# Altium PCB MCH_MAIN.PCBDOC (part 1 of 14) (continued)
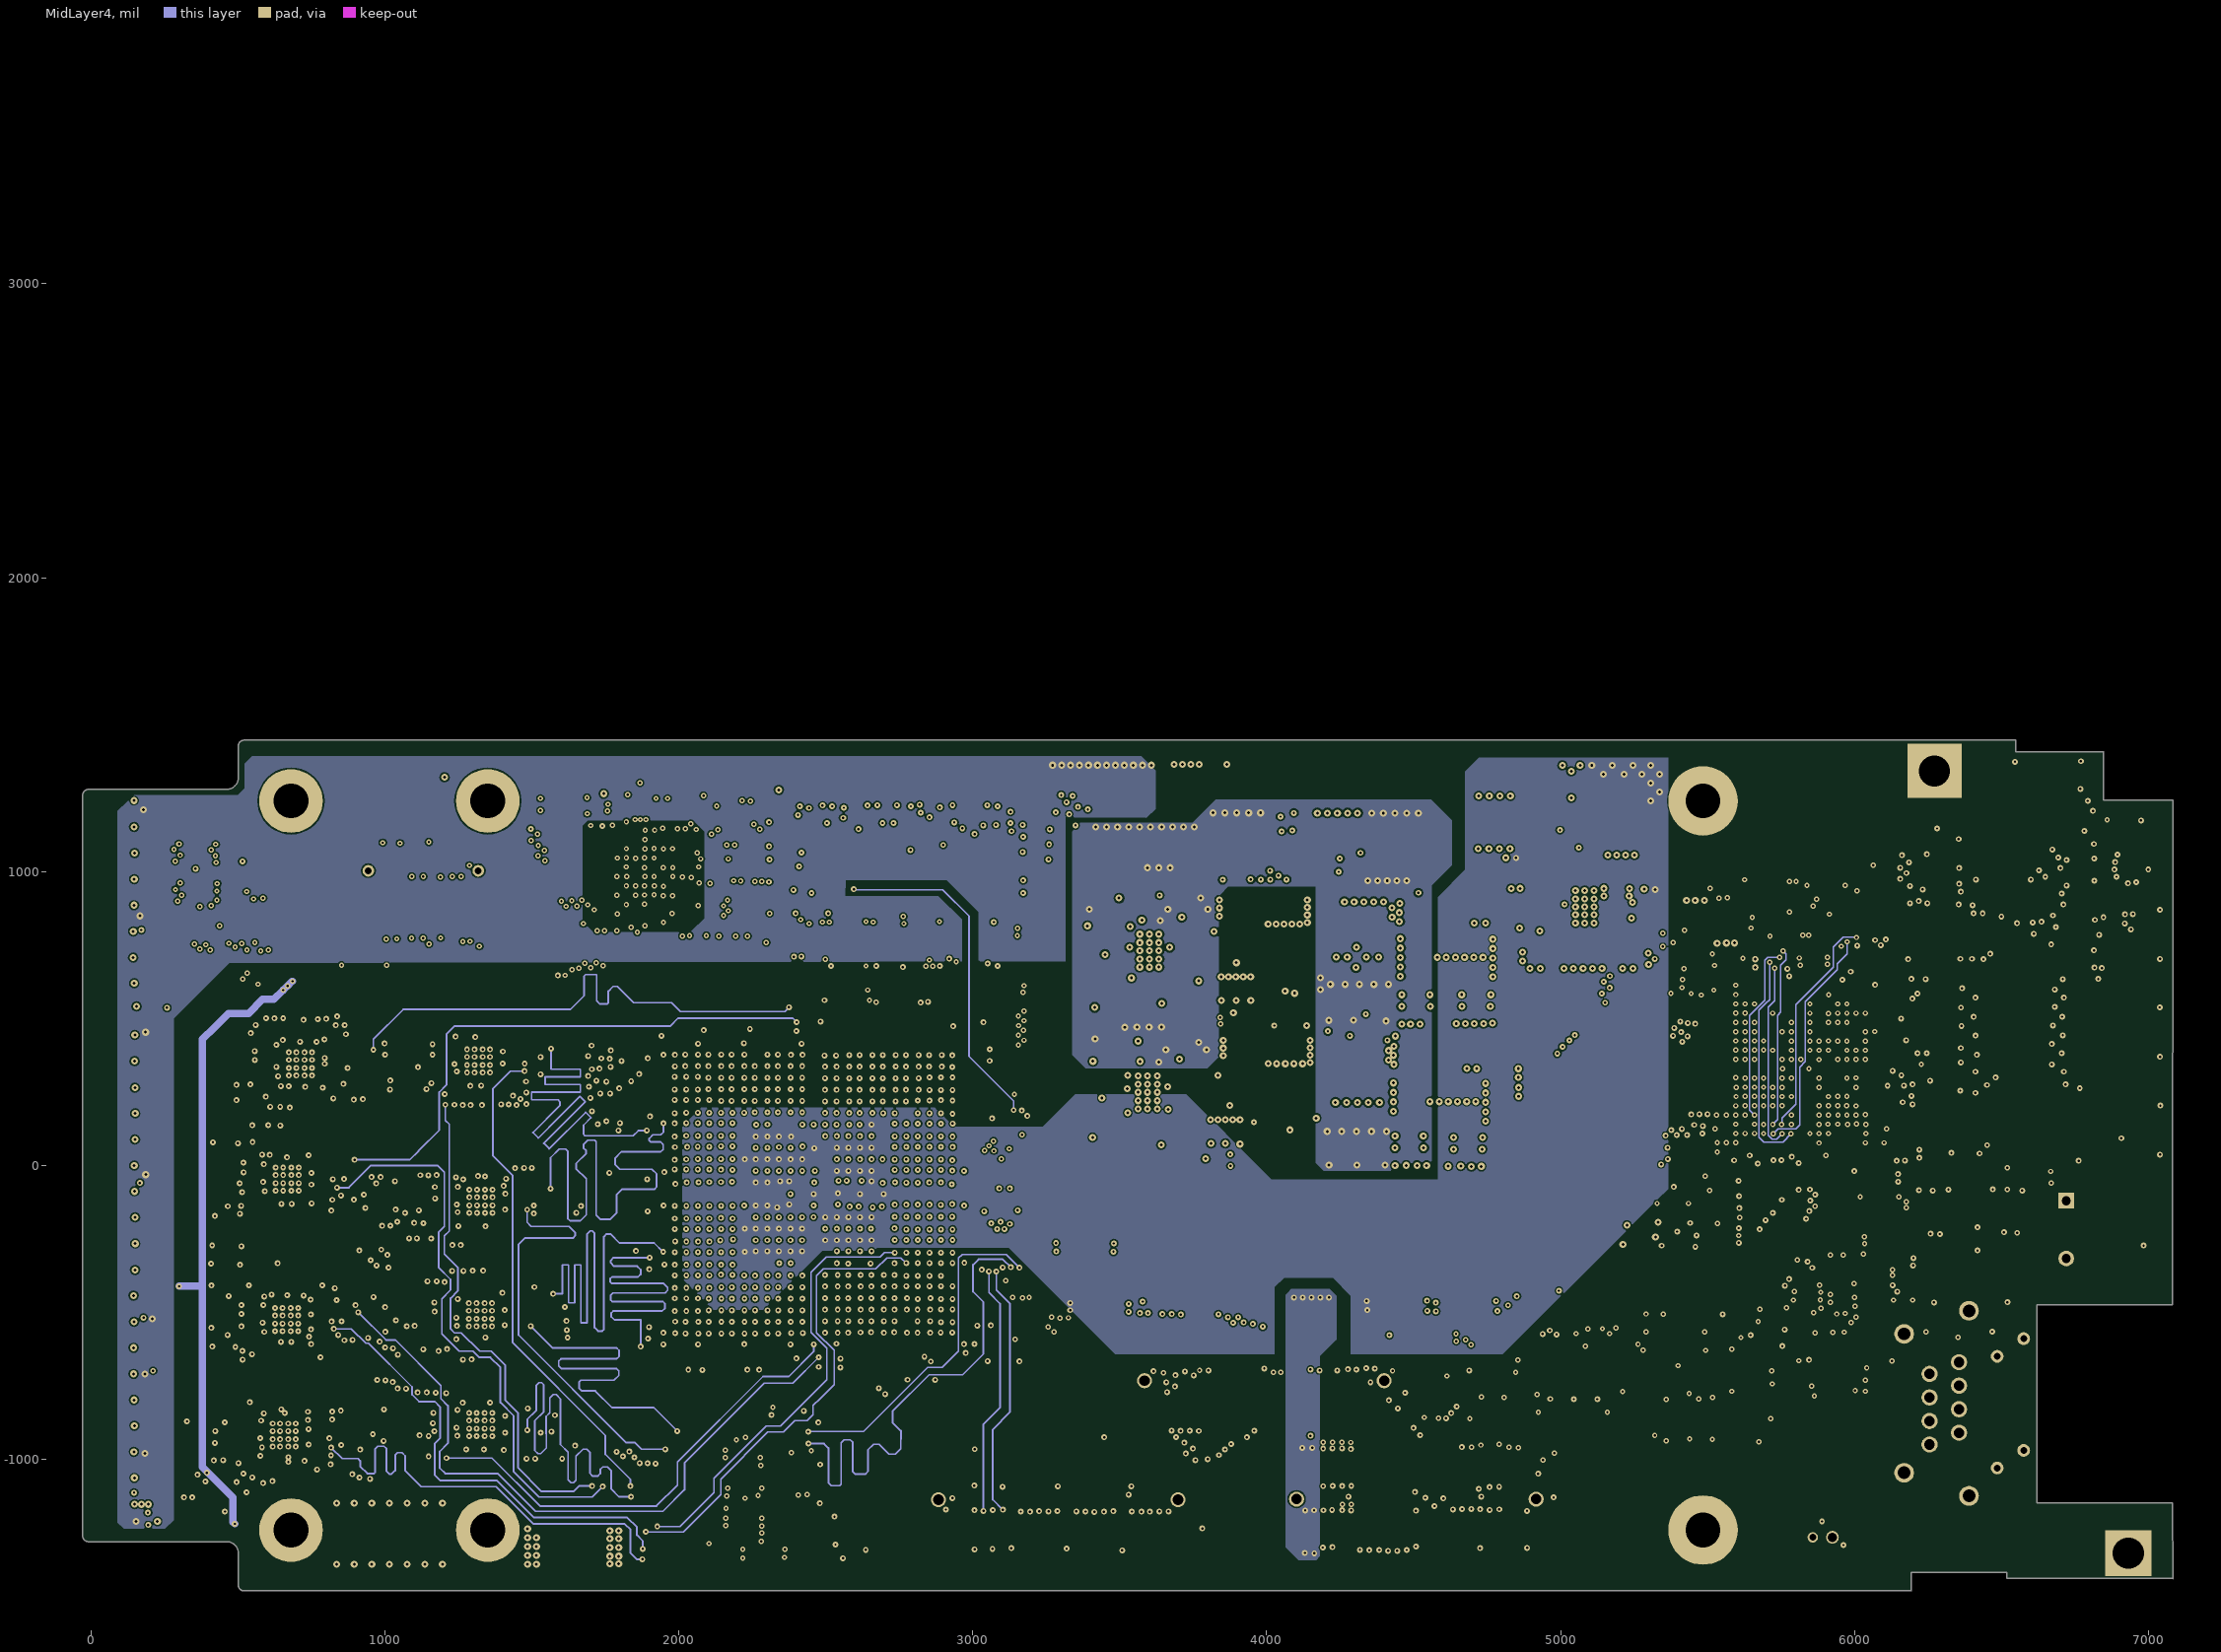
[diagram p4: MidLayer4]
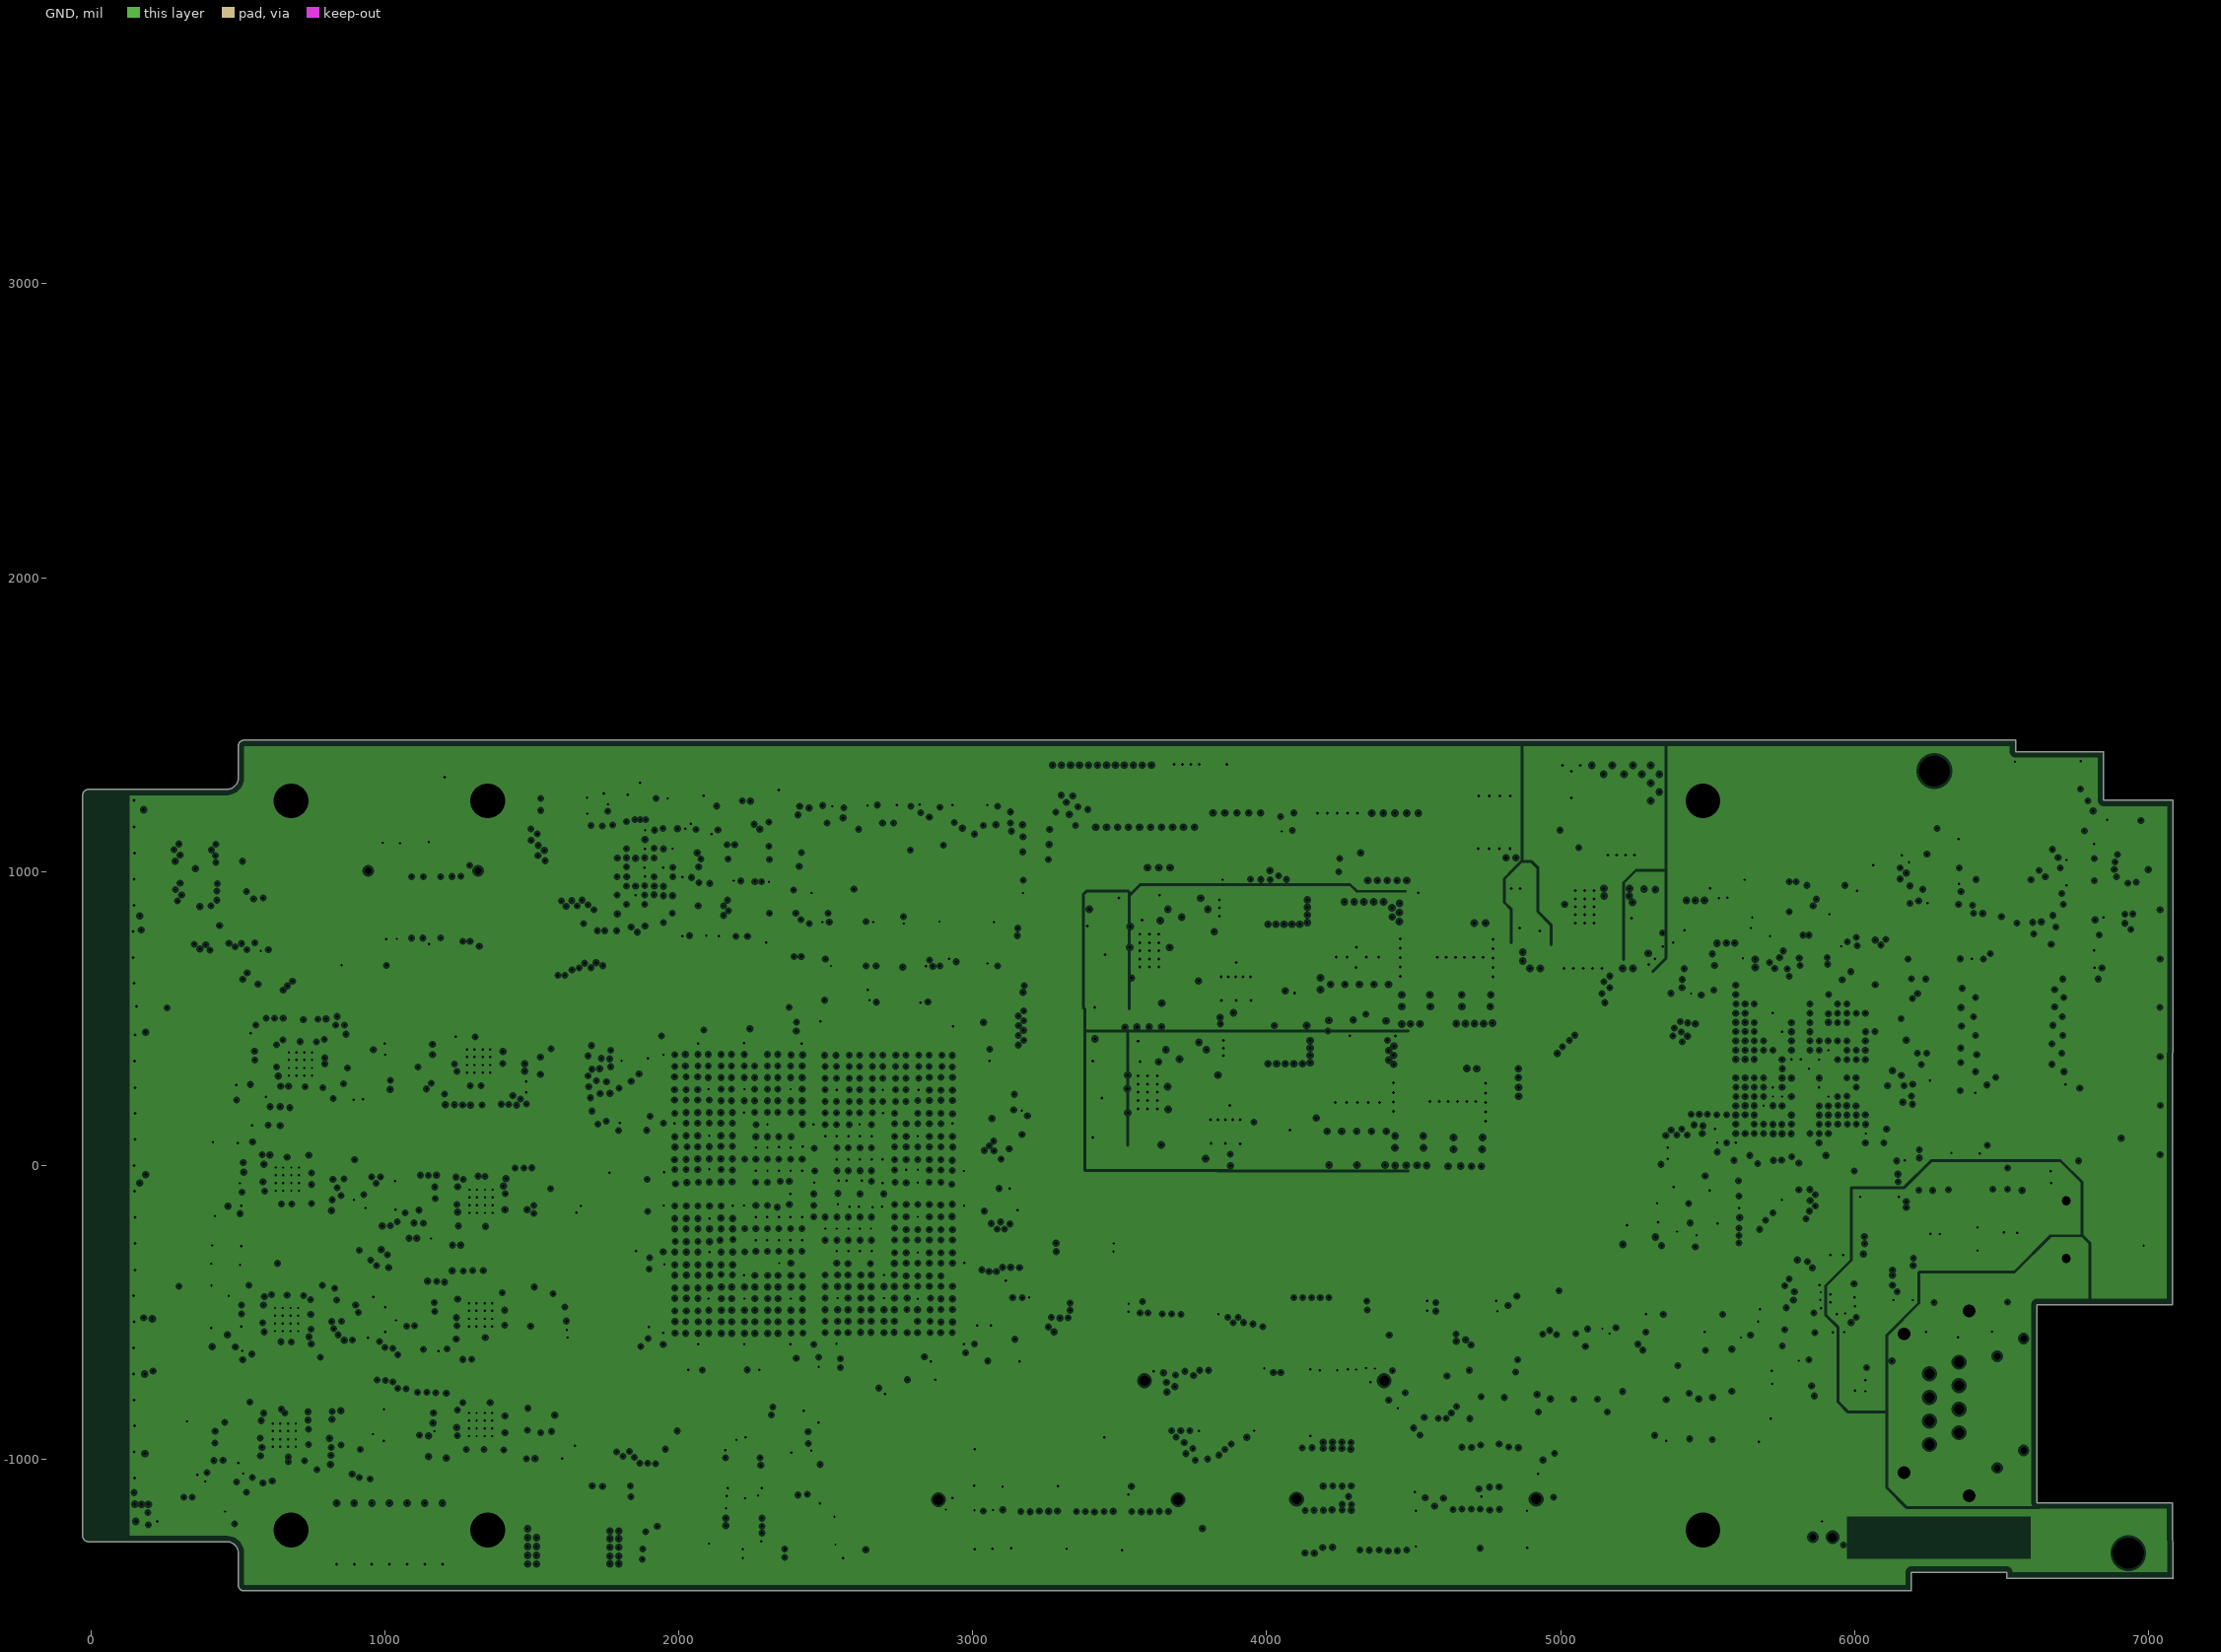
[diagram p5: GND, clearances drawn from the general rule]

## Layer stack, top to bottom
Top Layer: signal copper 1.4
Dielectric: core 10.6299, FR-4, Dk 4.8
Power: plane copper 1.4, net (Multiple Nets)
Dielectric: prepreg 10.6299, FR-4, Dk 4.8
MidLayer1: signal copper 1.4
Dielectric: core 10.6299, FR-4, Dk 4.8
MidLayer4: signal copper 1.4
Dielectric: prepreg 10.6299, FR-4, Dk 4.8
GND: plane copper 1.4, net (Multiple Nets)
Dielectric: core 10.6299, FR-4, Dk 4.8
Bottom Layer: signal copper 1.4

## Board outline
-27.76,-1259.86 -27.76,1259.82 -27.76,1259.83 cw(c-7.86,1259.82) -7.86,1279.72 460.67,1279.72 cw(c460.73,1279.52) 460.74,1279.73 ccw(c461.71,1319.77) 461.32,1279.72 461.98,1279.72 cw(c461.98,1279.51) 462,1279.72 ccw(c461.71,1319.77) 501.77,1319.77 ccw(c461.71,1319.77) 501.77,1319.83 501.77,1427.15 cw(c521.66,1427.15) 521.66,1447.04 6547.25,1447.04 cw(c6547.25,1446.83) 6547.47,1446.83 6547.47,1407.67 6846.47,1407.67 cw(c6846.47,1407.46) 6846.68,1407.46 6846.68,1242.32 7082.69,1242.32 cw(c7082.69,1242.11) 7082.9,1242.11 7081.88,-473.1 6620,-473.1 6620,-1147.1 7082,-1147.1 7082.78,-1406.56 7082.9,-1403.56 cw(c7082.69,-1403.56) 7082.69,-1403.78 6517.73,-1403.78 cw(c6517.73,-1403.56) 6517.52,-1403.56 6517.52,-1384.09 6193.14,-1384.09 6193.14,-1446.87 cw(c6192.92,-1446.87) 6192.92,-1447.08 519.7,-1447.08 cw(c519.7,-1446.87) 519.51,-1446.96 cw(c521.66,-1427.19) 501.88,-1429.34 cw(c501.98,-1429.15) 501.77,-1429.15 501.77,-1318.92 ccw(c462.61,-1318.92) 462.61,-1279.76 -7.86,-1279.76 -7.87,-1279.76 cw(c-7.86,-1259.86)

## Design rules (kind name [scope] priority, off if disabled: settings)
Clearance Clearance_poly_supply_1v2 [InPolygon] p1: gap=5
Clearance Clearance_poly_gnd_12v [(InPolygon) and (InNet(GND) or InNet('+12V_BACKPLANE') or InNet('+12V_BULK'))] p2: gap=6
Clearance Clearance_fine_bga [WithinRoom('CPU') or WithinRoom('FPGA') or WithinRoom('WD') vs WithinRoom('CPU')    or WithinRoom('FPGA')   or WithinRoom('WD')] p3: gap=4
Clearance [All] p4: gap=5
ComponentClearance [All] p1: gap=1 collisioncheckmode=3 verticalgap=10 showdistances=TRUE
DiffPairsRouting [All] p1: maxlimit=10 minlimit=6 mostfreqgap=10 toplayer_prefgap=6 midlayer1_prefgap=6 midlayer4_prefgap=6 bottomlayer_prefgap=6 maxuncoupledlength=500
HoleSize [All] p1: absolutevalues=TRUE maxlimit=200 minlimit=8 maxpercent=80.000 minpercent=20.000
MinimumAnnularRing [All] p1: minimumring=5
PlaneClearance [All] p1: clearance=8
PlaneConnect [All] p1: planeconnectstyle=Direct reliefexpansion=20 reliefentries=2 reliefconductorwidth=10 reliefairgap=10
PolygonConnect PolygonConnect_bigthermals [name= 'POLY_bigthermals' vs not IsVia] p1: connectstyle=Relief reliefconductorwidth=40 reliefentries=4 polygonreliefangle="90 Angle"
PolygonConnect PolygonConnect_nothermals [name = 'POLY_nothermals'] p2: connectstyle=Direct reliefconductorwidth=10 reliefentries=4 polygonreliefangle="90 Angle"
PolygonConnect PolygonConnect_via [All vs IsVia] p3: connectstyle=Direct reliefconductorwidth=10 reliefentries=4 polygonreliefangle="90 Angle"
PolygonConnect PolygonConnect_signals [All] p4: connectstyle=Relief reliefconductorwidth=10 reliefentries=4 polygonreliefangle="90 Angle"
RoomDefinition FPGA [InComponentClass('FPGA')] p1: confinementstyle=ConfineIn formatcopy=TRUE lockcomponents=FALSE outline 1777.5,-743.7 3202.8,-743.7 3202.8,543.1 1777.5,543.1
RoomDefinition WD [InComponentClass('WD')] p2: confinementstyle=ConfineIn formatcopy=TRUE lockcomponents=FALSE outline 1659.6,771.5 2103,771.5 2103,1200.1 1659.6,1200.1
RoomDefinition LETH [InComponentClass('LETH')] p3: confinementstyle=ConfineIn formatcopy=TRUE lockcomponents=FALSE outline 5304.4,-952.7 6624,-952.7 6624,-32.5 5304.4,-32.5
RoomDefinition DP4 [InComponentClass('DP4')] p4: confinementstyle=ConfineIn formatcopy=TRUE lockcomponents=FALSE outline 1647.02,-655.5 1647.02,-364.16 1009.88,-364.16 1009.88,-655.5
RoomDefinition DP2 [InComponentClass('DP2')] p5: confinementstyle=ConfineIn formatcopy=TRUE lockcomponents=FALSE outline 1670.56,-1029.3 1670.56,-737.96 1003.05,-737.96 1003.05,-1029.3
RoomDefinition DP1 [InComponentClass('DP1')] p6: confinementstyle=ConfineIn formatcopy=TRUE lockcomponents=FALSE outline 845.4,-676.04 845.4,-384.7 337.53,-384.7 337.53,-676.04
RoomDefinition DP5 [InComponentClass('DP5')] p7: confinementstyle=ConfineIn formatcopy=TRUE lockcomponents=FALSE outline 972.47,194.16 972.47,541.1 384.8,541.1 384.8,194.16
RoomDefinition DP0 [InComponentClass('DP0')] p8: confinementstyle=ConfineIn formatcopy=TRUE lockcomponents=FALSE outline 992.86,-1068.64 992.86,-777.3 438.36,-777.3 438.36,-1068.64
RoomDefinition DP3 [InComponentClass('DP3')] p9: confinementstyle=ConfineIn formatcopy=TRUE lockcomponents=FALSE outline 847.07,-197.24 847.07,94.1 339.2,94.1 339.2,-197.24
RoomDefinition CPU [InComponentClass('CPU')] p10: confinementstyle=ConfineIn formatcopy=TRUE lockcomponents=FALSE outline 5482.81,-14.1 6143.6,-14.1 6143.6,657.5 5482.81,657.5
RoomDefinition DP6 [InComponentClass('DP6')] p11: confinementstyle=ConfineIn formatcopy=TRUE lockcomponents=FALSE outline 1584.8,-270.44 1584.8,20.9 1076.93,20.9 1076.93,-270.44
RoomDefinition DP7 [InComponentClass('DP7')] p12: confinementstyle=ConfineIn formatcopy=TRUE lockcomponents=FALSE outline 1576.67,207.5 1576.67,498.84 1068.8,498.84 1068.8,207.5
RoomDefinition PSU_1V2 [InComponentClass('PSU_1V2')] p13: confinementstyle=ConfineIn formatcopy=TRUE lockcomponents=FALSE outline 4855.84,1348.77 4855.84,692.28 5327.3,692.28 5327.3,1348.77
RoomDefinition PSU_2V5 [InComponentClass('PSU_2V5')] p14: confinementstyle=ConfineIn formatcopy=TRUE lockcomponents=FALSE outline 4832.33,444.9 3345.13,444.9 3345.13,-13.76 4832.33,-13.76
RoomDefinition PSU_3V3 [InComponentClass('PSU_3V3')] p15: confinementstyle=ConfineIn formatcopy=TRUE lockcomponents=FALSE outline 4849.07,927.18 3345.13,927.18 3345.13,468.52 4849.07,468.52
RoomDefinition U_MB_clocking [InComponentClass('U_MB_clocking')] p16: confinementstyle=ConfineIn formatcopy=TRUE lockcomponents=FALSE outline 1819.02,-1390.91 2674.57,-1390.91 2674.57,-771.28 1819.02,-771.28
RoomDefinition U_MB_ZBT_memory [InComponentClass('U_MB_ZBT_memory')] p17: confinementstyle=ConfineIn formatcopy=TRUE lockcomponents=FALSE outline 2232.92,577.78 3179.03,577.78 3179.03,1401.59 2232.92,1401.59
RoutingVias [All] p1: holewidth=8 width=18 viastyle="Through Hole" minholewidth=8 minwidth=18 maxholewidth=40 maxwidth=100
SilkscreenOverComponentPads [All] p1: minsilkscreentomaskgap=10
SolderMaskExpansion [All] p1: expansion=1.5
TestPointUsage [All] p1: valid=0 allowmultiple=FALSE
Testpoint [All] p1: side=15 testpointundercomponent=TRUE minsize=40 maxsize=100 preferedsize=60 minholesize=0 maxholesize=40 preferedholesize=32 testpointgrid=1 style=1023 order=0-112345678
Width [All] p1: maxlimit=100 minlimit=5 preferedwidth=5
18 further rules are at their usual default settings.

## Classes and differential pairs
net class ZBT_IOP[1..4]: ZBT_IOP1 ZBT_IOP2 ZBT_IOP3 ZBT_IOP4
net class ZBT_IO[0..31]: ZBT_IO0 ZBT_IO1 ZBT_IO2 ZBT_IO3 ZBT_IO4 ZBT_IO5 ZBT_IO6 ZBT_IO7 ZBT_IO8 ZBT_IO9 ZBT_IO10 ZBT_IO11 ZBT_IO12 ZBT_IO13 ZBT_IO14 ZBT_IO15 ZBT_IO16 ZBT_IO17 ZBT_IO18 ZBT_IO19 ZBT_IO20 ZBT_IO21 ZBT_IO22 ZBT_IO23 ZBT_IO24 ZBT_IO25 ZBT_IO26 ZBT_IO27 ZBT_IO28 ZBT_IO29 ZBT_IO30 ZBT_IO31
net class ZBT_BW[1..4]: ZBT_BW1 ZBT_BW2 ZBT_BW3 ZBT_BW4
net class ZBT_A[0..16]: ZBT_A0 ZBT_A1 ZBT_A2 ZBT_A3 ZBT_A4 ZBT_A5 ZBT_A6 ZBT_A7 ZBT_A8 ZBT_A9 ZBT_A10 ZBT_A11 ZBT_A12 ZBT_A13 ZBT_A14 ZBT_A15 ZBT_A16
net class UP1_TD[0..9]: UP1_TD0 UP1_TD1 UP1_TD2 UP1_TD3 UP1_TD4 UP1_TD5 UP1_TD6 UP1_TD7 UP1_TD8 UP1_TD9
net class UP1_RD[0..9]: UP1_RD0 UP1_RD1 UP1_RD2 UP1_RD3 UP1_RD4 UP1_RD5 UP1_RD6 UP1_RD7 UP1_RD8 UP1_RD9
net class UP0_TD[0..9]: UP0_TD0 UP0_TD1 UP0_TD2 UP0_TD3 UP0_TD4 UP0_TD5 UP0_TD6 UP0_TD7 UP0_TD8 UP0_TD9
net class UP0_RD[0..9]: UP0_RD0 UP0_RD1 UP0_RD2 UP0_RD3 UP0_RD4 UP0_RD5 UP0_RD6 UP0_RD7 UP0_RD8 UP0_RD9
net class SMI_TX[0..7]: SMI_TX0 SMI_TX1 SMI_TX2 SMI_TX3 SMI_TX4 SMI_TX5 SMI_TX6 SMI_TX7
net class SMI_RX[0..7]: SMI_RX0 SMI_RX1 SMI_RX2 SMI_RX3 SMI_RX4 SMI_RX5 SMI_RX6 SMI_RX7
net class RBCLK_DP[0..7]: RBCLK_DP0 RBCLK_DP1 RBCLK_DP2 RBCLK_DP3 RBCLK_DP4 RBCLK_DP5 RBCLK_DP6 RBCLK_DP7
net class PE[0..19]: PE0 PE1 PE2 PE3 PE4 PE5 PE6 PE7 PE8 PE9 PE10 PE11 PE12 PE13 PE14 PE15 PE16 PE17 PE18 PE19
net class PC[0..19]: PC0 PC1 PC2 PC3 PC4 PC5 PC6 PC7 PC8 PC9 PC10 PC11 PC12 PC13 PC14 PC15 PC16 PC17 PC18 PC19
net class PB[16..31]: PB16 PB17 PB18 PB19 PB20 PB21 PB22 PB23 PB24 PB25 PB26 PB27 PB28 PB29 PB30 PB31
net class GPIO[0..7]: GPIO0 GPIO1 GPIO2 GPIO3 GPIO4 GPIO5 GPIO6 GPIO7
net class DP_SYNCEN[0..7]: DP_SYNCEN0 DP_SYNCEN1 DP_SYNCEN2 DP_SYNCEN3 DP_SYNCEN4 DP_SYNCEN5 DP_SYNCEN6 DP_SYNCEN7
net class DP_SYNC_PASS[0..7]: DP_SYNC_PASS0 DP_SYNC_PASS1 DP_SYNC_PASS2 DP_SYNC_PASS3 DP_SYNC_PASS4 DP_SYNC_PASS5 DP_SYNC_PASS6 DP_SYNC_PASS7
net class DP_PRBSEN[0..7]: DP_PRBSEN0 DP_PRBSEN1 DP_PRBSEN2 DP_PRBSEN3 DP_PRBSEN4 DP_PRBSEN5 DP_PRBSEN6 DP_PRBSEN7
net class DP_LOOPEN[0..7]: DP_LOOPEN0 DP_LOOPEN1 DP_LOOPEN2 DP_LOOPEN3 DP_LOOPEN4 DP_LOOPEN5 DP_LOOPEN6 DP_LOOPEN7
net class DP_ENABLE[0..7]: DP_ENABLE0 DP_ENABLE1 DP_ENABLE2 DP_ENABLE3 DP_ENABLE4 DP_ENABLE5 DP_ENABLE6 DP_ENABLE7
net class DP7_TD[0..9]: DP7_TD0 DP7_TD1 DP7_TD2 DP7_TD3 DP7_TD4 DP7_TD5 DP7_TD6 DP7_TD7 DP7_TD8 DP7_TD9
net class DP7_RD[0..9]: DP7_RD0 DP7_RD1 DP7_RD2 DP7_RD3 DP7_RD4 DP7_RD5 DP7_RD6 DP7_RD7 DP7_RD8 DP7_RD9
net class DP6_TD[0..9]: DP6_TD0 DP6_TD1 DP6_TD2 DP6_TD3 DP6_TD4 DP6_TD5 DP6_TD6 DP6_TD7 DP6_TD8 DP6_TD9
net class DP6_RD[0..9]: DP6_RD0 DP6_RD1 DP6_RD2 DP6_RD3 DP6_RD4 DP6_RD5 DP6_RD6 DP6_RD7 DP6_RD8 DP6_RD9
net class DP5_TD[0..9]: DP5_TD0 DP5_TD1 DP5_TD2 DP5_TD3 DP5_TD4 DP5_TD5 DP5_TD6 DP5_TD7 DP5_TD8 DP5_TD9
net class DP5_RD[0..9]: DP5_RD0 DP5_RD1 DP5_RD2 DP5_RD3 DP5_RD4 DP5_RD5 DP5_RD6 DP5_RD7 DP5_RD8 DP5_RD9
net class DP4_TD[0..9]: DP4_TD0 DP4_TD1 DP4_TD2 DP4_TD3 DP4_TD4 DP4_TD5 DP4_TD6 DP4_TD7 DP4_TD8 DP4_TD9
net class DP4_RD[0..9]: DP4_RD0 DP4_RD1 DP4_RD2 DP4_RD3 DP4_RD4 DP4_RD5 DP4_RD6 DP4_RD7 DP4_RD8 DP4_RD9
net class DP3_TD[0..9]: DP3_TD0 DP3_TD1 DP3_TD2 DP3_TD3 DP3_TD4 DP3_TD5 DP3_TD6 DP3_TD7 DP3_TD8 DP3_TD9
net class DP3_RD[0..9]: DP3_RD0 DP3_RD1 DP3_RD2 DP3_RD3 DP3_RD4 DP3_RD5 DP3_RD6 DP3_RD7 DP3_RD8 DP3_RD9
net class DP2_TD[0..9]: DP2_TD0 DP2_TD1 DP2_TD2 DP2_TD3 DP2_TD4 DP2_TD5 DP2_TD6 DP2_TD7 DP2_TD8 DP2_TD9
net class DP2_RD[0..9]: DP2_RD0 DP2_RD1 DP2_RD2 DP2_RD3 DP2_RD4 DP2_RD5 DP2_RD6 DP2_RD7 DP2_RD8 DP2_RD9
net class DP1_TD[0..9]: DP1_TD0 DP1_TD1 DP1_TD2 DP1_TD3 DP1_TD4 DP1_TD5 DP1_TD6 DP1_TD7 DP1_TD8 DP1_TD9
net class DP1_RD[0..9]: DP1_RD0 DP1_RD1 DP1_RD2 DP1_RD3 DP1_RD4 DP1_RD5 DP1_RD6 DP1_RD7 DP1_RD8 DP1_RD9
net class DP0_TD[0..9]: DP0_TD0 DP0_TD1 DP0_TD2 DP0_TD3 DP0_TD4 DP0_TD5 DP0_TD6 DP0_TD7 DP0_TD8 DP0_TD9
net class DP0_RD[0..9]: DP0_RD0 DP0_RD1 DP0_RD2 DP0_RD3 DP0_RD4 DP0_RD5 DP0_RD6 DP0_RD7 DP0_RD8 DP0_RD9
net class D[0..31]: D0 D1 D2 D3 D4 D5 D6 D7 D8 D9 D10 D11 D12 D13 D14 D15 D16 D17 D18 D19 D20 D21 D22 D23 D24 D25 D26 D27 D28 D29 D30 D31
net class CPU_D[0..31]: CPU_D0 CPU_D1 CPU_D2 CPU_D3 CPU_D4 CPU_D5 CPU_D6 CPU_D7 CPU_D8 CPU_D9 CPU_D10 CPU_D11 CPU_D12 CPU_D13 CPU_D14 CPU_D15 CPU_D16 CPU_D17 CPU_D18 CPU_D19 CPU_D20 CPU_D21 CPU_D22 CPU_D23 CPU_D24 CPU_D25 CPU_D26 CPU_D27 CPU_D28 CPU_D29 CPU_D30 CPU_D31
net class CPU_A[0..22]: CPU_A0 CPU_A1 CPU_A2 CPU_A3 CPU_A4 CPU_A5 CPU_A6 CPU_A7 CPU_A8 CPU_A9 CPU_A10 CPU_A11 CPU_A12 CPU_A13 CPU_A14 CPU_A15 CPU_A16 CPU_A17 CPU_A18 CPU_A19 CPU_A20
net class CMI_PIO[0..3]: CMI_PIO0 CMI_PIO1 CMI_PIO2 CMI_PIO3
net class AUX[0..7]: AUX0 AUX1 AUX2 AUX3 AUX4 AUX5 AUX6 AUX7
net class A[0..22]: A0 A1 A2 A3 A4 A5 A6 A7 A8 A9 A10 A11 A12 A13 A14 A15 A16 A17 A18 A19 A20 A21 A22
component class CPU: C43 C44 C45 C46 C47 C48 C49 C50 C51 C52 C53 C54 C55 C56 C57 C58 C59 C60 C62 C98 C99 C100 C102 C104 C106 CN1 D20 D21 D22 D23 D24 IC5 L9 R19 R56 R58 R59 R60 R84 R85 R86 R95 X1 X3
component class DP0: C63_DP0 C64_DP0 C65_DP0 C66_DP0 C67_DP0 C68_DP0 C70_DP0 C71_DP0 C74_DP0 C75_DP0 C76_DP0 C132_DP0 C250_DP0 C251_DP0 C252_DP0 IC23_DP0 L5_DP0 R18_DP0 R63_DP0 R65_DP0
component class DP1: C62_DP1 C63_DP1 C64_DP1 C65_DP1 C66_DP1 C67_DP1 C68_DP1 C70_DP1 C71_DP1 C74_DP1 C75_DP1 C76_DP1 C132_DP1 C250_DP1 C251_DP1 C252_DP1 IC23_DP1 L5_DP1 R18_DP1 R63_DP1 R65_DP1
component class DP2: C63_DP2 C64_DP2 C65_DP2 C66_DP2 C67_DP2 C68_DP2 C70_DP2 C71_DP2 C74_DP2 C75_DP2 C76_DP2 C132_DP2 C250_DP2 C251_DP2 C252_DP2 IC23_DP2 L5_DP2 R18_DP2 R63_DP2 R65_DP2
component class DP3: C63_DP3 C64_DP3 C65_DP3 C66_DP3 C67_DP3 C68_DP3 C70_DP3 C71_DP3 C74_DP3 C75_DP3 C76_DP3 C132_DP3 C250_DP3 C251_DP3 C252_DP3 IC23_DP3 L5_DP3 R18_DP3 R63_DP3 R65_DP3
component class DP4: C63_DP4 C64_DP4 C65_DP4 C66_DP4 C67_DP4 C68_DP4 C70_DP4 C71_DP4 C74_DP4 C75_DP4 C76_DP4 C132_DP4 C250_DP4 C251_DP4 C252_DP4 IC23_DP4 L5_DP4 R18_DP4 R63_DP4 R65_DP4
component class DP5: C63_DP5 C64_DP5 C65_DP5 C66_DP5 C67_DP5 C68_DP5 C70_DP5 C71_DP5 C74_DP5 C75_DP5 C76_DP5 C132_DP5 C250_DP5 C251_DP5 C252_DP5 IC23_DP5 L5_DP5 R18_DP5 R63_DP5 R65_DP5
component class DP6: C63_DP6 C64_DP6 C65_DP6 C66_DP6 C67_DP6 C68_DP6 C70_DP6 C71_DP6 C74_DP6 C75_DP6 C76_DP6 C132_DP6 C250_DP6 C251_DP6 C252_DP6 IC23_DP6 L5_DP6 R18_DP6 R63_DP6 R65_DP6
component class DP7: C62_DP7 C63_DP7 C64_DP7 C65_DP7 C66_DP7 C67_DP7 C68_DP7 C70_DP7 C71_DP7 C74_DP7 C75_DP7 C76_DP7 C132_DP7 C250_DP7 C251_DP7 C252_DP7 IC23_DP7 L5_DP7 R18_DP7 R63_DP7 R65_DP7
component class FPGA: IC12 R99 R100 R101 R102 R118 R? RP10 RP11 RP12 RP13 RP14 RP15 RP16 RP17 RP26 RP27
component class LETH: C30 C31 C32 C33 C34 C35 C36 C37 C38 C39 C40 C41 C42 C69 C72 C73 IC3 IC4 L4 R45 R46 R47 R48 R49 R50 R51 R52 R53 R54 R55 R75 R117 RP1 RP2 RP3 Tr1
component class MB_main: C194 C195 CN2 CN3 CN4 CN5 CN6 CN7 CN11 CN? D1 D2 D3 D4 D5 D6 D7 D8 D9 D10 D11 D12 D13 IC19 IC20 R61 R62 R68 R69 R70 R71 R72 R73 R74 R76 R77 R78 R79 R81 R92 R109 R110 R111 R112 R113 R114 R115 R116 RP6 RP7 RP8 RP9 RP28 RP29 RP30 S1
component class PSU_1V2: C9 C13 C14 C16 C17 C92 C168 C169 C170 C171 C253 C255 IC13 IC21 L8 R16 R17 R23 R25
component class PSU_2V5: C8 C10 C11 C12 C18 C94 C175 C176 C177 C178 C179 C183 C184 C185 C186 C187 C213 C245 C246 C247 C248 C256 D14 D15 IC14 IC22 L1 Q1 Q2 R13 R15 R24 R26 R27 R29 R31 R96 R97 R98
component class PSU_3V3: C21 C22 C24 C25 C27 C95 C201 C202 C203 C204 C205 C207 C208 C209 C210 C211 C249 D18 D19 IC15 IC24 L2 Q3 Q4 R32 R33 R35 R36 R37 R41 R44
component class SENS: C148 C151 C238 C239 IC39 IC40 IC41 IC42
component class U_MB_clocking: C1 C2 C3 C4 C5 C6 C7 C243 C244 IC1 IC2 R1 R2 R3 R4 R5 R6 R7 R8 R9 R10 R11 R12
component class U_MB_CPU_memory: C134 C136 C149 C150 C159 C162 C166 C167 C172 C173 C180 C181 C182 C188 C189 C190 C191 CN10 IC6 IC7 IC8 IC10 R20 R64 R66 R67 RP5
component class U_MB_fpga_power: C77 C78 C79 C80 C81 C82 C83 C84 C85 C86 C87 C88 C89 C90 C91 C93 C96 C97 C101 C103 C105 C107 C108 C109 C110 C111 C112 C113 C114 C115 C116 C117 C118 C119 C120 C121 C122 C123 C124 C125 C126 C127 C128 C129 C130 C131 C135 C137 C138 C139 C141 C142 C143 C144 C145 C146 C147 C152 C153 C154 C155 C156 C157 C158 C160 C161 C163 C164 C165 C174 C196 C198 C200 C218 C221 C222 C223 C224 C240 L3 L6 L7 L10 R21 R22 R39 R40 R43
component class U_MB_ZBT_memory: C197 C199 C206 C212 C216 C217 C219 C220 C229 C230 C231 C232 IC17
component class WD: C133 C192 C225 C226 C227 C228 C233 C234 C235 C236 C237 C254 C257 C258 C259 C260 C? IC9 IC18 L11 R14 R57 R80 R82 R83 R87 R88 R89 R90 R91 R93 R94 RP18 RP19 RP20 RP21 RP22 RP23 RP24 RP25 RP31 U1 X2
differential pair TXI_DP7: +TXI_DP7_P -TXI_DP7_N
differential pair TXI_DP6: +TXI_DP6_P -TXI_DP6_N
differential pair TXI_DP5: +TXI_DP5_P -TXI_DP5_N
differential pair TXI_DP4: +TXI_DP4_P -TXI_DP4_N
differential pair TXI_DP3: +TXI_DP3_P -TXI_DP3_N
differential pair TXI_DP2: +TXI_DP2_P -TXI_DP2_N
differential pair TXI_DP1: +TXI_DP1_P -TXI_DP1_N
differential pair TXI_DP0: +TXI_DP0_P -TXI_DP0_N
differential pair RXI_DP7: +RXI_DP7_P -RXI_DP7_N
differential pair RXI_DP6: +RXI_DP6_P -RXI_DP6_N
differential pair RXI_DP5: +RXI_DP5_P -RXI_DP5_N
differential pair RXI_DP4: +RXI_DP4_P -RXI_DP4_N
differential pair RXI_DP3: +RXI_DP3_P -RXI_DP3_N
differential pair RXI_DP2: +RXI_DP2_P -RXI_DP2_N
differential pair RXI_DP1: +RXI_DP1_P -RXI_DP1_N
differential pair RXI_DP0: +RXI_DP0_P -RXI_DP0_N
differential pair RX_DP0: +RX_DP0_P -RX_DP0_N
differential pair RX_DP1: +RX_DP1_P -RX_DP1_N
differential pair RX_DP2: +RX_DP2_P -RX_DP2_N
differential pair RX_DP3: +RX_DP3_P -RX_DP3_N
differential pair RX_DP4: +RX_DP4_P -RX_DP4_N
differential pair RX_DP5: +RX_DP5_P -RX_DP5_N
differential pair RX_DP6: +RX_DP6_P -RX_DP6_N
differential pair RX_DP7: +RX_DP7_P -RX_DP7_N
differential pair TX_DP0: +TX_DP0_P -TX_DP0_N
differential pair TX_DP1: +TX_DP1_P -TX_DP1_N
differential pair TX_DP2: +TX_DP2_P -TX_DP2_N
differential pair TX_DP3: +TX_DP3_P -TX_DP3_N
differential pair TX_DP4: +TX_DP4_P -TX_DP4_N
differential pair TX_DP5: +TX_DP5_P -TX_DP5_N
differential pair TX_DP6: +TX_DP6_P -TX_DP6_N
differential pair TX_DP7: +TX_DP7_P -TX_DP7_N
